# Altium PCB Carrier-Board-Apalis.PcbDoc (part 3 of 5) (continued)
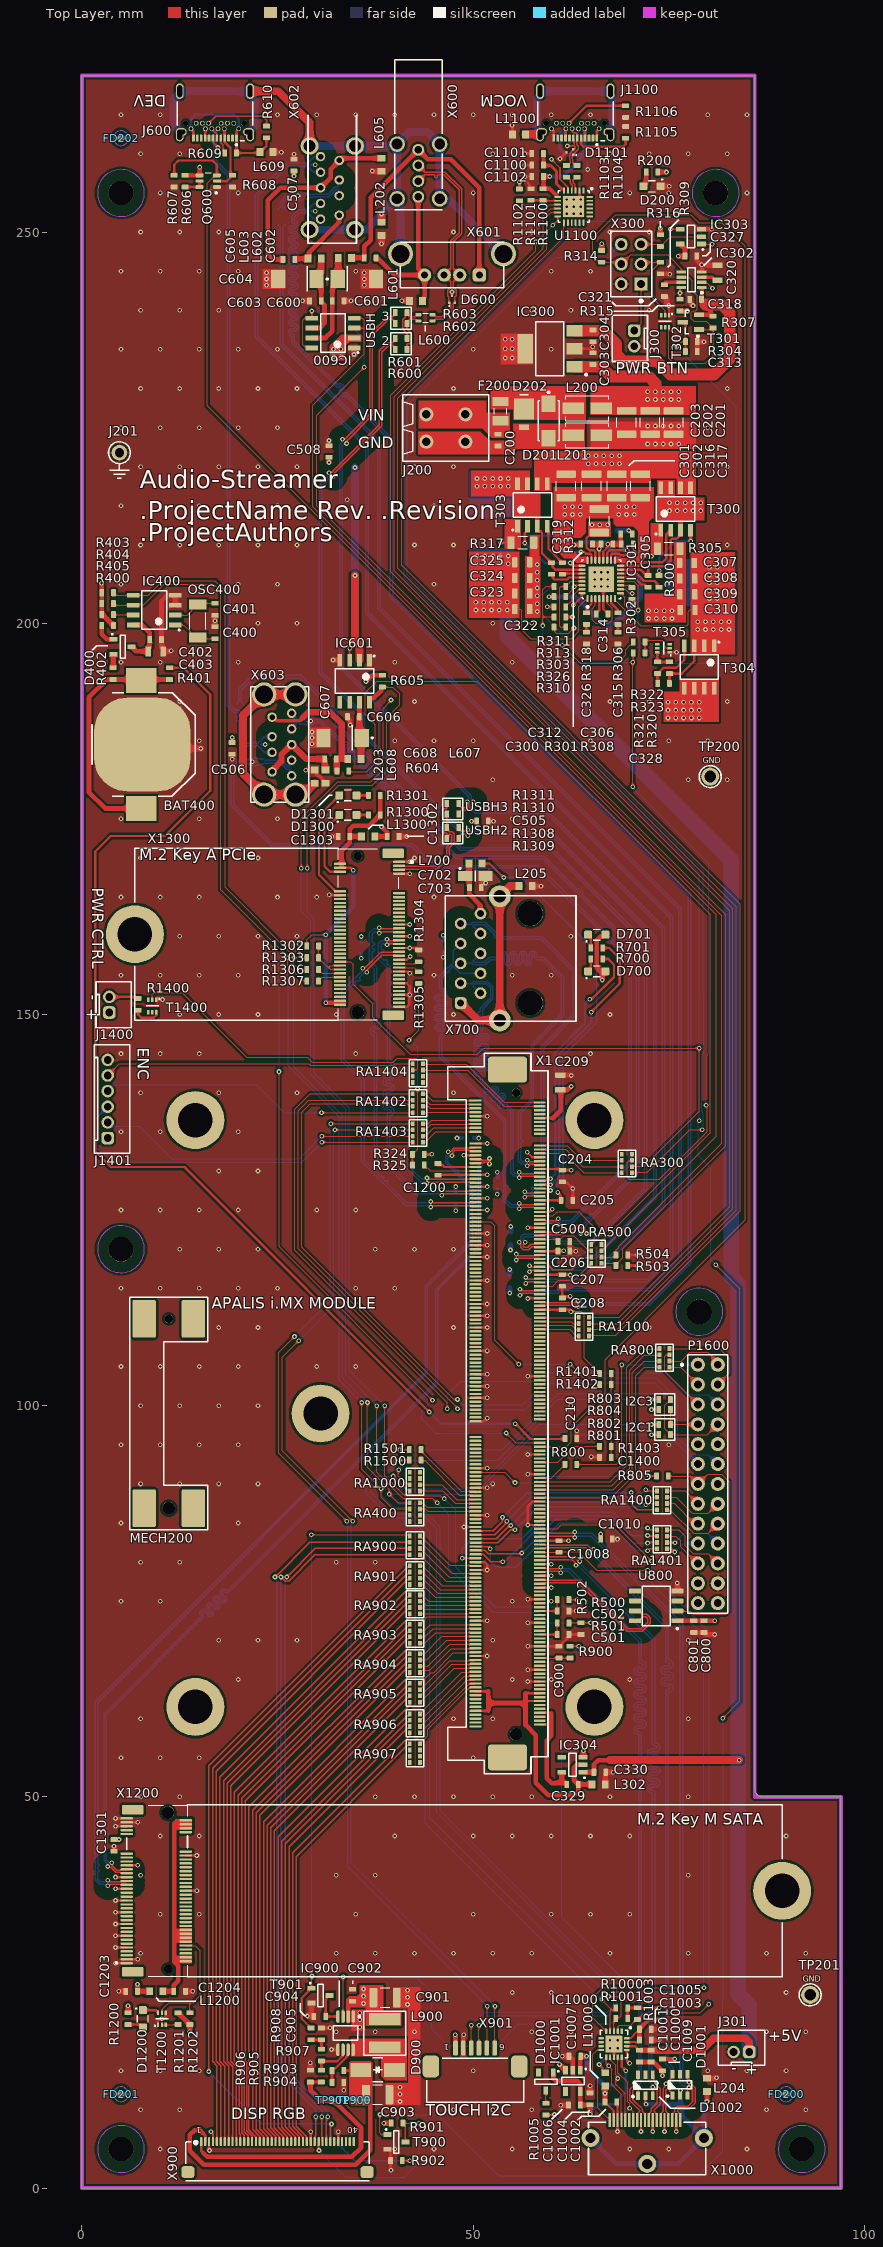
[diagram p0: Top Layer view]
## Nets (pads, with @x,y where several pads share a name; then routed paths per layer and width w, separated by ;. In a path a pad name is that pad's centre, name@x,y a point inside that pad or via, vN(x,y) a via of type N, cw(c..) or ccw(c..) an arc to the next point about the centre after c; other vN are vias at no path point) (continued)
HDMI1_TXD0_P: D1002.4 X1.234 X1000.7 | length 90.1
  Top Layer w0.198: X1.234@58.5,80.75 58.551,80.699 59.371,80.699 59.391,80.679 62.819,80.679 63.326,80.172 63.568,80.172 v1(63.645,80.095) ; D1002.4@72.96,14.5 73.07,14.39 73.07,13.811 v1(73.455,13.426) 73.532,13.349 73.532,13.107 73.905,12.734 73.905,10.762 73.139,9.996 73.139,9.808 73.309,9.638 73.309,9.601 73.46,9.45 X1000.7@73.46,8.7
  Bottom Layer w0.198: v1(63.645,80.095) 63.722,80.018 63.722,79.776 73.258,70.24 73.258,56.946 ccw(c73.302,56.946) 73.302,56.902 cw(c73.302,56.346) 73.858,56.346 cw(c73.302,56.346) 73.302,55.79 72.856,55.79 ccw(c72.856,55.592) 72.856,55.394 73.302,55.394 cw(c73.302,54.838) 73.858,54.838 cw(c73.302,54.838) 73.302,54.282 72.856,54.282 ccw(c72.856,54.084) 72.856,53.886 73.302,53.886 cw(c73.302,53.33) 73.858,53.33 cw(c73.302,53.33) 73.302,52.774 72.856,52.774 ccw(c72.856,52.576) 72.856,52.378 73.302,52.378 cw(c73.302,51.822) 73.858,51.822 cw(c73.302,51.822) 73.302,51.266 72.856,51.266 ccw(c72.856,51.068) 72.856,50.87 cw(c72.856,50.468) 73.258,50.468 73.258,24.708 72.8,24.25 72.8,13.839 73.136,13.503 73.378,13.503 v1(73.455,13.426)
HDMI1_TXD1_N: D1001.6 X1.230 X1000.6 | length 90.1
  Top Layer w0.198: X1.230@58.5,81.75 58.551,81.801 59.371,81.801 59.391,81.821 64.471,81.821 64.823,81.469 64.823,81.227 v1(64.9,81.15) ; X1000.6@73.96,8.7 73.96,9.45 74.111,9.601 74.111,9.638 74.281,9.808 74.281,12.737 74.499,12.955 74.499,13.088 74.651,13.24 v1(74.651,13.349) 75.328,14.027 75.328,14.399 D1001.6@75.479,14.55
  Bottom Layer w0.198: v1(64.9,81.15) 64.977,81.073 65.219,81.073 74.6,71.692 74.6,67.546 ccw(c75.002,67.546) 75.002,67.144 cw(c75.002,66.946) 75.2,66.946 cw(c75.002,66.946) 75.002,66.748 74.556,66.748 ccw(c74.556,66.192) 74.556,65.636 75.002,65.636 cw(c75.002,65.438) 75.2,65.438 cw(c75.002,65.438) 75.002,65.24 74.556,65.24 ccw(c74.556,64.684) 74.556,64.128 75.002,64.128 cw(c75.002,63.93) 75.2,63.93 cw(c75.002,63.93) 75.002,63.732 ccw(c75.002,63.33) 74.6,63.33 74.6,15.894 75.195,15.299 75.195,13.651 74.97,13.426 74.728,13.426 v1(74.651,13.349)
HDMI1_TXD1_P: D1001.1 X1.228 X1000.4 | length 90.3
  Top Layer w0.198: X1.228@58.5,82.25 58.551,82.199 59.371,82.199 59.391,82.179 64.619,82.179 65.076,81.722 65.318,81.722 v1(65.395,81.645) ; X1000.4@74.96,8.7 74.96,9.45 74.809,9.601 74.809,9.638 74.639,9.808 74.639,12.589 74.647,12.597 74.717,12.597 74.975,12.854 v1(75.146,12.854) 75.146,12.392 75.262,12.276 75.328,12.276 75.479,12.125 D1001.1@75.479,11.85
  Bottom Layer w0.198: v1(65.395,81.645) 65.472,81.568 65.472,81.326 74.958,71.84 74.958,67.546 ccw(c75.002,67.546) 75.002,67.502 cw(c75.002,66.946) 75.558,66.946 cw(c75.002,66.946) 75.002,66.39 74.556,66.39 ccw(c74.556,66.192) 74.556,65.994 75.002,65.994 cw(c75.002,65.438) 75.558,65.438 cw(c75.002,65.438) 75.002,64.882 74.556,64.882 ccw(c74.556,64.684) 74.556,64.486 75.002,64.486 cw(c75.002,63.93) 75.558,63.93 cw(c75.002,63.93) 75.002,63.374 ccw(c75.002,63.33) 74.958,63.33 74.958,16.042 75.553,15.447 75.553,13.503 75.223,13.173 75.223,12.931 v1(75.146,12.854)
HDMI1_TXD2_N: D1001.3 X1.224 X1000.3 | length 90.6
  Top Layer w0.198: X1.224@59.1,83.25 X1.224@58.5,83.25 58.551,83.301 59.1,83.301 59.371,83.301 59.391,83.321 61.347,83.321 62.72,83.321 62.891,83.15 v1(63,83.15) ; X1000.3@75.46,8.7 75.46,9.45 75.611,9.601 75.611,9.638 75.781,9.808 75.781,10.121 76.113,10.453 77.46,10.453 78.042,11.035 78.042,12.638 v1@77.715,12.965 ; D1001.3@77.379,11.85 v1@77.379,12.85
  Bottom Layer w0.198: v1(63,83.15) 63.109,83.15 63.28,83.321 65.079,83.321 76.442,71.958 76.442,13.434 76.855,13.021 77.32,13.021 77.491,12.85 v1(77.6,12.85)
HDMI1_TXD2_P: D1001.4 X1.222 X1000.1 | length 90.8
  Top Layer w0.198: X1.222@58.5,83.75 58.551,83.699 59.371,83.699 59.391,83.679 61.198,83.679 62.72,83.679 62.891,83.85 v1(63,83.85) ; X1000.1@76.46,8.7 76.46,9.45 76.309,9.601 76.309,9.638 76.139,9.808 76.139,9.973 76.261,10.095 77.608,10.095 78.4,10.887 78.4,12.787 77.637,13.55 v1(77.6,13.55) ; v1@77.379,13.55 D1001.4@77.379,14.55
  Bottom Layer w0.198: v1(63,83.85) 63.109,83.85 63.28,83.679 65.227,83.679 76.8,72.106 76.8,13.582 77.003,13.379 77.32,13.379 77.491,13.55 v1(77.6,13.55)
HDMI1_VDISP: C1002.2 C1007.2 IC1001.1 L1000.2 R1002.2 R1004.2 X1000.18 | length 14.7
  Top Layer w0.25: C1002.2@66.85,10.982 66.85,10.832 67.025,10.657 67.175,10.657 67.96,9.872 X1000.18@67.96,8.7
  Top Layer w0.6: IC1001.1@63.7,15.051 63.7,16.651 63.75,16.701 C1007.2@63.75,16.851 v1(64.5,16.851) ; C1002.2@66.85,10.982 v1(66.85,12.1) 66.85,13.03 L1000.2@66.88,13.06
  Bottom Layer w0.3: R1004.2@66.85,13.05 R1004.2@66.95,13.15 R1002.2@68.3,13.15
  Bottom Layer w0.6: v1(64.5,16.851) 64.5,15.4 66.85,13.05 v1(66.85,12.1)
HDMI1_VDISP_L: IC1000.15 L1000.1 | length 7.5
  Top Layer w0.25: v1(66.1,15.8) 66.537,15.363 66.537,15.05 66.717,14.87 L1000.1@66.75,14.87 ; IC1000.15@69.65,17.65 69.65,16.299 v1(69.999,15.95)
  Bottom Layer w0.25: v1(66.1,15.8) 66.8,16.5 69.449,16.5 v1(69.999,15.95)
I2C1_SCL: IC400.6 R404.1 R802.2 R1307.1 RA400.7 X901.3 | length 289.3
  Top Layer w0.15: R404.1@4.05,202.5 4.237,202.313 IC400.6@6.55,202.313 6.625,202.388 7.924,202.388 10.536,205 16.824,205 17.775,204.049 17.775,165.925 26.3,157.4 26.3,156.264 28.239,154.325 28.675,154.325 R1307.1@28.75,154.25 ; v1(35.75,100.4) 35.75,91.885 v1(38.235,89.4) 38.235,88.3 39.735,86.8 RA400.7@41.9,86.8 ; X901.3@49.75,17.9 v1(49.75,20.8) ; v1(72.8,97.6) R802.2@73.735,97.6
  Bottom Layer w0.15: v1(26.35,157.25) 26.35,143.45 32.9,136.9 32.9,103.25 v1(35.75,100.4) ; v1(49.75,20.8) 51.4,22.45 67.15,22.45 68,23.3 68,25.364 45.35,48.014 45.35,84.3 42.65,87 39.764,87 38.235,88.529 v1(38.235,89.4) 50.3,89.4 58.5,97.6 v1(72.8,97.6)
I2C1_SDA: IC400.5 R403.1 R801.2 R1306.1 RA400.8 X901.4 | length 284
  Top Layer w0.15: R403.1@4.05,203.9 4.05,203.808 4.275,203.583 IC400.5@6.55,203.583 8.483,203.583 10.35,205.45 17.01,205.45 18.3,204.16 18.3,166.25 27.1,157.45 27.1,156.4 27.75,155.75 R1306.1@28.75,155.75 ; v1(36.5,100.4) 36.5,92.1 39.3,89.3 v1(39.3,88.7) 40.4,87.6 RA400.8@41.9,87.6 ; X901.4@50.75,17.9 v1(50.75,20.8) ; v1(72.8,96.3) R801.2@73.735,96.3
  Bottom Layer w0.15: v1(27.1,157.25) 27.1,143.336 33.3,137.136 33.3,103.6 v1(36.5,100.4) ; v1@39.1,88.7 v1(39.3,88.7) ; v1(50.75,20.8) 51.95,22 67.336,22 68.379,23.043 68.379,25.621 45.8,48.2 45.8,84.486 42.836,87.45 40.55,87.45 v1(39.3,88.7) ; v1(72.8,96.3) 72.775,96.275 57.749,96.275 50.174,88.7 v1(39.3,88.7)
I2C2_DDC_SCL: IC1000.11 R1002.1 X1000.15 | length 10
  Top Layer w0.15: IC1000.11@67.5,16.75 67.567,16.683 67.567,16.343 68.2,15.709 68.2,14.475 68.389,14.286 68.389,14.026 68.362,14 68.25,14 68.25,13.3 69.46,12.09 X1000.15@69.46,8.7
  Bottom Layer w0.15: R1002.1@68.3,14.65 68.45,14.65 68.675,14.425 68.475,14.225 v1(68.475,14)
I2C2_DDC_SDA: IC1000.10 R1004.1 X1000.16 | length 10
  Top Layer w0.15: IC1000.10@67,16.75 67,15.95 v1(67.325,15.625) 67.75,15.2 67.75,13.19 68.96,11.98 X1000.16@68.96,8.7
  Bottom Layer w0.15: R1004.1@66.95,14.65 66.95,15.25 v1(67.325,15.625)
I2C2_SCL: IC1000.3 R1001.1 RA1000.5 | length 92.4
  Top Layer w0.15: v1(39.8,91) 41.625,89.175 41.825,89.175 RA1000.5@41.9,89.1 ; v1(67.3,24.5) 68.35,24.5 68.95,23.9 68.95,22.05 68.687,21.787 68.341,21.787 R1001.1@68.249,21.695 68.249,21.545 68,21.295 IC1000.3@68,20.05
  Bottom Layer w0.15: v1(39.8,91) 37.6,91 36.9,90.3 36.9,89 39.7,86.2 42.2,86.2 44.45,83.95 44.45,47.35 v1@67.178,24.622 ; v1(67.3,24.5) 67.378,24.5 v1@67.5,24.622
I2C2_SDA: IC1000.4 R1000.1 RA1000.6 | length 93.5
  Top Layer w0.15: v1(40.5,91.8) 40.45,91.8 40.45,90.95 41.425,89.975 41.825,89.975 RA1000.6@41.9,89.9 ; v1(66.435,24.1) 66.435,24.07 67.724,22.781 ; IC1000.4@67.5,20.05 67.5,22.556 67.724,22.781 ; R1000.1@68.336,22.729 68.336,22.958 R1000.1@68.249,23.045 68.249,23.006 68.024,22.781 67.724,22.781
  Bottom Layer w0.15: v1(40.5,91.8) 37.622,91.8 36.35,90.528 36.35,88.772 39.472,85.65 41.972,85.65 43.9,83.722 43.9,46.635 v1(66.435,24.1)
INT#: IC302.5 R314.2 X1.178 X300.4 | length 204.4
  Top Layer w0.15: X1.178@58.5,94.75 61.935,94.75 62.549,95.364 62.549,97.261 66.875,101.587 66.875,105.875 84.7,123.7 84.7,248.26 81.76,251.2 78.825,251.2 77.825,252.2 68.212,252.2 65.309,249.297 65.309,246.9 65.885,246.324 66.261,246.324 R314.2@66.435,246.15 68.685,246.15 X300.4@68.935,245.9 70.135,247.1 74.847,247.1 76.625,245.322 IC302.5@76.625,244.875
KILL#: IC302.8 IC303.4 R315.2 | length 11.6
  Top Layer w0.15: v1(75.2,250.366) 75.206,250.36 IC303.4@76.485,250.36 ; R315.2@76.435,241.4 v1(76.435,242.2) 76.435,242.8 76.56,242.925 IC302.8@76.625,242.925
  Bottom Layer w0.15: v1(75.2,250.366) 75.2,245.9 76.435,244.665 v1(76.435,242.2)
LCD1_B0: RA905.7 X900.21 | length 65.6
  Top Layer w0.165: X900.21@25.25,5.95 25.25,6.582 24.145,7.687 24.145,46.033 41.604,63.492 41.732,63.492 41.9,63.659 RA905.7@41.9,63.709
LCD1_B1: RA905.6 X900.22 | length 64.7
  Top Layer w0.165: X900.22@25.75,5.95 25.75,6.582 24.61,7.722 24.61,45.698 41.604,62.692 41.732,62.692 41.9,62.859 RA905.6@41.9,62.909
LCD1_B2: RA905.5 X900.23 | length 63.6
  Top Layer w0.165: X900.23@26.25,5.95 26.25,6.582 25.075,7.757 25.075,44.902 41.9,61.727 RA905.5@41.9,62.109
LCD1_B3: RA906.8 X900.24 | length 62
  Top Layer w0.165: X900.24@26.75,5.95 26.75,6.582 25.54,7.792 25.54,44.319 41.604,60.382 41.732,60.382 41.9,60.55 RA906.8@41.9,60.6
LCD1_B4: RA906.7 X900.25 | length 61
  Top Layer w0.165: X900.25@27.25,5.95 27.25,6.582 26.005,7.827 26.005,43.984 41.604,59.582 41.732,59.582 41.9,59.75 RA906.7@41.9,59.8
LCD1_B5: RA906.6 X900.26 | length 60
  Top Layer w0.165: X900.26@27.75,5.95 27.75,6.582 26.47,7.862 26.47,43.649 41.604,58.782 41.732,58.782 41.9,58.95 RA906.6@41.9,59
LCD1_B6: RA906.5 X900.27 | length 59
  Top Layer w0.165: X900.27@28.25,5.95 28.25,6.582 26.935,7.898 26.935,42.853 41.9,57.817 RA906.5@41.9,58.2
LCD1_B7: RA907.8 X900.28 | length 57.5
  Top Layer w0.165: X900.28@28.75,5.95 28.75,6.582 27.4,7.933 27.4,42.379 41.604,56.582 41.732,56.582 41.9,56.75 RA907.8@41.9,56.8
LCD1_DE: R902.2 RA901.8 X900.34 | length 110.1
  Top Layer w0.165: v1(16.2,14.9) 16.24,14.94 16.24,53.969 41.604,79.332 41.732,79.332 41.9,79.5 RA901.8@41.9,79.55 ; X900.34@31.75,5.95 31.75,7.932 31.9,8.082 v1(31.9,8.2) ; R902.2@40.95,3.5 v1(41.9,3.5)
  Bottom Layer w0.165: v1(16.2,14.9) 22.9,8.2 v1(31.9,8.2) 31.9,6.5 34.9,3.5 v1(41.9,3.5)
LCD1_G0: RA903.7 X900.13 | length 74.6
  Top Layer w0.165: X900.13@21.25,5.95 21.25,6.692 20.725,7.217 20.725,15.9 20.425,16.2 20.425,49.854 41.604,71.032 41.732,71.032 41.9,71.2 RA903.7@41.9,71.25
LCD1_G1: RA903.6 X900.14 | length 73.6
  Top Layer w0.165: X900.14@21.75,5.95 21.75,6.637 21.04,7.347 21.04,16.05 20.89,16.2 20.89,49.519 41.604,70.233 41.732,70.233 41.9,70.4 RA903.6@41.9,70.45
LCD1_G2: RA903.5 X900.15 | length 72.6
  Top Layer w0.165: X900.15@22.25,5.95 22.25,6.582 21.355,7.477 21.355,48.723 41.9,69.268 RA903.5@41.9,69.65
LCD1_G3: RA904.8 X900.16 | length 71.1
  Top Layer w0.165: X900.16@22.75,5.95 22.75,6.582 21.82,7.512 21.82,48.299 41.604,68.082 41.732,68.082 41.9,68.25 RA904.8@41.9,68.3
LCD1_G4: RA904.7 X900.17 | length 70.1
  Top Layer w0.165: X900.17@23.25,5.95 23.25,6.582 22.285,7.547 22.285,47.964 41.604,67.282 41.732,67.282 41.9,67.45 RA904.7@41.9,67.5
LCD1_G5: RA904.6 X900.18 | length 69.2
  Top Layer w0.165: X900.18@23.75,5.95 23.75,6.582 22.75,7.582 22.75,47.629 41.604,66.482 41.732,66.482 41.9,66.65 RA904.6@41.9,66.7
LCD1_G6: RA904.5 X900.19 | length 68.1
  Top Layer w0.165: X900.19@24.25,5.95 24.25,6.582 23.215,7.617 23.215,46.833 41.9,65.517 RA904.5@41.9,65.9
LCD1_G7: RA905.8 X900.20 | length 66.6
  Top Layer w0.165: X900.20@24.75,5.95 24.75,6.582 23.68,7.652 23.68,46.368 41.604,64.292 41.732,64.292 41.9,64.459 RA905.8@41.9,64.509
LCD1_HSYNC: RA900.5 X900.32 | length 92.4
  Top Layer w0.165: v1(25.435,78.1) 25.435,78.097 25.964,77.568 26.406,77.568 29.788,80.95 RA900.5@41.9,80.95 ; v1(30.658,9.1) 30.658,6.675 30.75,6.582 X900.32@30.75,5.95
  Bottom Layer w0.165: v1(25.435,78.1) 25.435,15.123 30.658,9.9 v1(30.658,9.1)
LCD1_PCLK: RA900.7 X900.30 | length 93.4
  Top Layer w0.165: v1(24.685,78.1) 24.685,78.103 29.132,82.55 RA900.7@41.9,82.55 ; X900.30@29.75,5.95 29.75,6.582 29.908,6.74 v1(29.908,9.1)
  Bottom Layer w0.165: v1(24.685,78.1) 24.903,77.883 24.903,69.767 24.903,14.997 29.908,9.992 v1(29.908,9.1)
LCD1_R0: RA901.7 X900.5 | length 83.5
  Top Layer w0.165: X900.5@17.25,5.95 17.25,15.655 16.705,16.2 16.705,53.634 41.604,78.532 41.732,78.532 41.9,78.7 RA901.7@41.9,78.75
LCD1_R1: RA901.6 X900.6 | length 82.6
  Top Layer w0.165: X900.6@17.75,5.95 17.75,15.62 17.17,16.2 17.17,53.299 41.604,77.732 41.732,77.732 41.9,77.9 RA901.6@41.9,77.95
LCD1_R2: RA901.5 X900.7 | length 81.5
  Top Layer w0.165: X900.7@18.25,5.95 18.25,15.585 17.635,16.2 17.635,52.503 41.9,76.767 RA901.5@41.9,77.15
LCD1_R3: RA902.8 X900.8 | length 80.1
  Top Layer w0.165: X900.8@18.75,5.95 18.75,15.55 18.1,16.2 18.1,52.079 41.604,75.582 41.732,75.582 41.9,75.75 RA902.8@41.9,75.8
LCD1_R4: RA902.7 X900.9 | length 79.1
  Top Layer w0.165: X900.9@19.25,5.95 19.25,15.515 18.565,16.2 18.565,51.744 41.604,74.782 41.732,74.782 41.9,74.95 RA902.7@41.9,75
LCD1_R5: RA902.6 X900.10 | length 78.1
  Top Layer w0.165: X900.10@19.75,5.95 19.75,15.48 19.03,16.2 19.03,51.409 41.604,73.982 41.732,73.982 41.9,74.15 RA902.6@41.9,74.2
LCD1_R6: RA902.5 X900.11 | length 77
  Top Layer w0.165: X900.11@20.25,5.95 20.25,6.801 20.095,6.956 20.095,15.6 19.495,16.2 19.495,50.613 41.9,73.017 RA902.5@41.9,73.4
LCD1_R7: RA903.8 X900.12 | length 75.6
  Top Layer w0.165: X900.12@20.75,5.95 20.75,6.746 20.41,7.086 20.41,15.75 19.96,16.2 19.96,50.189 41.604,71.832 41.732,71.832 41.9,72 RA903.8@41.9,72.05
LCD1_VSYNC: RA900.6 X900.33 | length 91.8
  Top Layer w0.165: v1(26.185,78.1) 29.835,81.75 RA900.6@41.9,81.75 ; X900.33@31.25,5.95 31.25,8.943 v1(31.408,9.1)
  Bottom Layer w0.165: v1(26.185,78.1) 25.967,77.883 25.967,69.767 25.968,15.248 31.408,9.808 v1(31.408,9.1)
LCD_DISP_B: R901.1 T900.3 X900.31 | length 25.7
  Top Layer w0.15: X900.31@30.25,5.95 30.25,4.85 v1(30.3,4.8) ; R901.1@41.05,8.3 v1(43.1,8.3)
  Top Layer w0.165: R901.1@41.05,8.3 41.05,8.15 41.35,7.85 T900.3@41.35,5.9
  Bottom Layer w0.15: v1(30.3,4.8) 33.7,1.4 41.2,1.4 43.1,3.3 v1(43.1,8.3)
MCLK_N: U800.8 X1.246 | length 20.1
  Top Layer w0.165: X1.246@58.5,77.75 58.568,77.682 59.249,77.682 59.257,77.675 63.599,77.675 68.287,72.987 68.385,72.889 ccw(c68.533,73.037) 68.681,72.889 68.88,73.088 cw(c69.028,72.939) 69.176,73.088 cw(c69.028,72.939) 69.176,72.791 68.977,72.593 ccw(c69.126,72.444) 68.977,72.296 69.126,72.148 69.274,72 69.774,71.5 71.5,71.5 72.3,72.3 72.3,72.75 72.05,73 71.675,73 71.175,72.5 U800.8@70.7,72.5
MCLK_P: U800.7 X1.248 | length 20.2
  Top Layer w0.165: X1.248@58.5,77.25 58.568,77.317 59.249,77.317 59.272,77.34 63.46,77.34 69.635,71.165 71.639,71.165 72.635,72.161 72.635,72.889 72.189,73.335 71.61,73.335 71.175,73.77 U800.7@70.7,73.77
MXM3_1_M: RA1402.4 X1.1 | length 7.1
  Top Layer w0.15: RA1402.4@43.58,139.85 43.905,139.85 44.755,139 X1.1@50.3,139
MXM3_2_M: RA1404.5 X1.2 | length 17
  Top Layer w0.15: RA1404.5@43.58,143.7 43.655,143.625 49.111,143.625 53.986,138.75 X1.2@58.5,138.75
MXM3_3_M: RA1402.3 X1.3 | length 6.9
  Top Layer w0.15: RA1402.3@43.58,139.05 43.905,139.05 44.455,138.5 X1.3@50.3,138.5
MXM3_4_M: RA1404.6 X1.4 | length 16.8
  Top Layer w0.15: RA1404.6@43.58,142.9 49.336,142.9 53.986,138.25 X1.4@58.5,138.25
MXM3_5_M: RA1402.2 X1.5 | length 6.8
  Top Layer w0.15: RA1402.2@43.58,138.25 44.281,138.25 44.531,138 X1.5@50.3,138
MXM3_6_M: X1.6
MXM3_7_M: RA1402.1 X1.7 | length 6.7
  Top Layer w0.15: RA1402.1@43.58,137.45 43.905,137.45 43.955,137.5 X1.7@50.3,137.5
MXM3_8_M: X1.8
MXM3_11_M: RA1403.4 X1.11 | length 6.9
  Top Layer w0.15: RA1403.4@43.58,136.05 44.281,136.05 44.731,136.5 X1.11@50.3,136.5
MXM3_13_M: RA1403.3 X1.13 | length 7
  Top Layer w0.15: RA1403.3@43.58,135.25 43.905,135.25 44.655,136 X1.13@50.3,136
MXM3_15_M: RA1403.2 X1.15 | length 7.2
  Top Layer w0.15: RA1403.2@43.58,134.45 43.905,134.45 44.955,135.5 X1.15@50.3,135.5
MXM3_17_M: RA1403.1 X1.17 | length 7.3
  Top Layer w0.15: RA1403.1@43.58,133.65 43.905,133.65 45.255,135 X1.17@50.3,135
MXM3_24_M: RA300.2 X1.24 | length 11.3
  Top Layer w0.15: X1.24@58.5,133.25 62.05,133.25 63.949,131.351 RA300.2@69,131.351
MXM3_26_M: RA300.3 X1.26 | length 11.4
  Top Layer w0.15: X1.26@58.5,132.75 61.843,132.75 64.041,130.551 RA300.3@69,130.551
MXM3_28_M: RA300.4 X1.28 | length 11.5
  Top Layer w0.15: X1.28@58.5,132.25 61.636,132.25 64.134,129.751 RA300.4@69,129.751
MXM3_35_M: C1200.2 X1.35 | length 4.9
  Top Layer w0.3: C1200.2@45.5,130.75 46.1,130.75 46.35,130.5 X1.35@50.3,130.5
MXM3_37_M: R325.1 X1.37 | length 6.9
  Top Layer w0.15: R325.1@43.75,130.75 43.75,130.613 43.975,130.388 44.112,130.388 44.5,130 X1.37@50.3,130
MXM3_60_M: RA500.1 X1.60 | length 10.5
  Top Layer w0.15: X1.60@58.5,124.25 60.2,124.25 60.75,124.8 63.5,124.8 65.568,122.732 65.568,121.068 65.325,120.825 65.275,120.825 65.1,120.65 RA500.1@65.1,120.6
MXM3_72_M: C500.2 RA500.2 X1.72 | length 7.7
  Top Layer w0.15: X1.72@58.5,121.25 60.737,121.25 60.85,121.137 61.075,121.362 61.212,121.362 61.55,121.7 62.868,121.7 64.713,119.855 65.045,119.855 RA500.2@65.1,119.8
MXM3_84_M: RA500.3 X1.84 | length 7.6
  Top Layer w0.15: 63.488,118.25 64.238,119 RA500.3@65.1,119
  Top Layer w0.165: X1.84@58.5,118.25 58.535,118.215 59.385,118.215 60.2,117.4 62.638,117.4 63.488,118.25
MXM3_96_M: RA500.4 X1.96 | length 7.9
  Top Layer w0.15: X1.96@58.5,115.25 60.15,115.25 60.9,116 62.9,116 64.875,117.975 64.925,117.975 65.1,118.15 RA500.4@65.1,118.2
MXM3_110_M: X1.110
MXM3_112_M: RA1100.1 X1.112 | length 5
  Top Layer w0.15: X1.112@58.5,111.25 63.125,111.25 63.175,111.3 RA1100.1@63.5,111.3
MXM3_114_M: RA1100.2 X1.114 | length 5.1
  Top Layer w0.15: X1.114@58.5,110.75 62.549,110.75 62.799,110.5 RA1100.2@63.5,110.5
MXM3_116_M: RA1100.3 X1.116 | length 5.2
  Top Layer w0.15: X1.116@58.5,110.25 62.625,110.25 63.175,109.7 RA1100.3@63.5,109.7
MXM3_118_M: RA1100.4 X1.118 | length 5.4
  Top Layer w0.15: X1.118@58.5,109.75 62.325,109.75 63.175,108.9 RA1100.4@63.5,108.9
MXM3_120_M: X1.120
MXM3_122_M: X1.122
MXM3_124_M: X1.124
MXM3_126_M: X1.126
MXM3_128_M: X1.128
MXM3_130_M: X1.130
MXM3_132_M: X1.132
MXM3_134_M: X1.134
MXM3_136_M: X1.136
MXM3_138_M: X1.138
MXM3_140_M: X1.140
MXM3_191_M: R805.2 X1.191 | length 24
  Top Layer w0.15: X1.191@50.3,91.5 50.325,91.475 54.046,91.475 v1(55.351,90.17) ; v1(72.5,91) R805.2@73.45,91
  Bottom Layer w0.15: v1(55.351,90.17) 57.791,90.17 58.621,91 v1(72.5,91)
MXM3_201_M: R1501.1 X1.201 | length 9.3
  Top Layer w0.15: R1501.1@43.35,94.37 43.425,94.295 43.425,94.114 48.464,89.075 50.225,89.075 X1.201@50.3,89
MXM3_203_M: R1500.1 X1.203 | length 8.8
  Top Layer w0.15: R1500.1@43.35,93.04 43.425,92.965 43.867,92.965 48.257,88.575 50.225,88.575 X1.203@50.3,88.5
MXM3_205_M: RA1000.2 X1.205 | length 7.9
  Top Layer w0.15: RA1000.2@43.2,89.9 46.015,89.9 47.915,88 X1.205@50.3,88
MXM3_207_M: RA1000.1 X1.207 | length 7.8
  Top Layer w0.15: RA1000.1@43.2,89.1 46.143,89.1 47.743,87.5 X1.207@50.3,87.5
MXM3_209_M: RA400.4 X1.209 | length 7.3
  Top Layer w0.15: RA400.4@43.2,87.6 43.525,87.6 44.125,87 X1.209@50.3,87
MXM3_211_M: RA400.3 X1.211 | length 7.2
  Top Layer w0.15: RA400.3@43.2,86.8 43.901,86.8 44.201,86.5 X1.211@50.3,86.5
MXM3_221_M: RA1400.4 X1.221 | length 27.3
  Top Layer w0.165: X1.221@50.3,84 52.55,84 53.743,85.193 53.743,85.723 v1(53.76,85.74) ; v1(70.218,88.9) 70.218,87.482 71,86.7 RA1400.4@73.5,86.7
  Bottom Layer w0.165: v1(53.76,85.74) 56.92,88.9 v1(70.218,88.9)
MXM3_223_M: RA1400.1 X1.223 | length 25.7
  Top Layer w0.15: v1(72.05,89.25) 72.2,89.1 RA1400.1@73.5,89.1
  Top Layer w0.165: X1.223@50.3,83.5 52.757,83.5 54.29,85.033 v1(54.29,85.21)
  Bottom Layer w0.15: 71.1,88.3 v1(72.05,89.25)
  Bottom Layer w0.165: v1(54.29,85.21) 57.38,88.3 71.1,88.3
MXM3_225_M: RA1400.2 X1.225 | length 25.4
  Top Layer w0.15: v1(72.05,88.3) RA1400.2@73.5,88.3
  Top Layer w0.165: X1.225@50.3,83 52.964,83 54.644,84.68 v1(54.82,84.68)
  Bottom Layer w0.15: 71.4,87.65 v1(72.05,88.3)
  Bottom Layer w0.165: v1(54.82,84.68) 57.791,87.65 71.4,87.65
MXM3_227_M: RA1400.3 X1.227 | length 25.3
  Top Layer w0.15: v1(72.05,87.35) 72.2,87.5 RA1400.3@73.5,87.5
  Top Layer w0.165: X1.227@50.3,82.5 53.171,82.5 54.803,84.132 55.334,84.132 v1(55.351,84.149)
  Bottom Layer w0.15: 71.8,87.1 v1(72.05,87.35)
  Bottom Layer w0.165: v1(55.351,84.149) 58.302,87.1 71.8,87.1
MXM3_229_M: RA1401.4 X1.229 | length 29.2
  Top Layer w0.165: X1.229@50.3,82 51.886,82 52.186,81.7 v1(52.2,81.7) ; v1(72.3,81.474) 72.548,81.721 RA1401.4@73.5,81.721
  Bottom Layer w0.165: v1(52.2,81.7) 52.2,80.058 52.929,79.329 55.429,79.329 61.1,85 67.307,85 70.833,81.474 v1(72.3,81.474)
MXM3_231_M: RA1401.3 X1.231 | length 26.7
  Top Layer w0.165: X1.231@50.3,81.5 51.479,81.5 51.929,81.05 56.162,81.05 56.047,81.165 v1(56.2,81.165) ; v1(72.3,82.439) 72.383,82.521 RA1401.3@73.5,82.521
  Bottom Layer w0.165: v1(56.2,81.165) 60.5,85.465 67.499,85.465 70.526,82.439 v1(72.3,82.439)
MXM3_233_M: RA1401.2 X1.233 | length 27.1
  Top Layer w0.165: X1.233@50.3,81 51.3,81 52.242,80.058 v1(53.8,80.058) ; v1(72.3,83.404) 72.383,83.321 RA1401.2@73.5,83.321
  Bottom Layer w0.165: v1(53.8,80.058) 54.018,80.058 59.89,85.93 67.692,85.93 70.218,83.404 v1(72.3,83.404)
MXM3_235_M: RA1401.1 X1.235 | length 30.7
  Top Layer w0.165: v1(48.6,80.5) X1.235@50.3,80.5 ; v1(72.3,84.369) 72.548,84.121 RA1401.1@73.5,84.121
  Bottom Layer w0.165: v1(48.6,80.5) 48.6,81.7 49.9,83 56.2,83 59.595,86.395 67.885,86.395 69.911,84.369 v1(72.3,84.369)
MXM3_239_M: RA900.4 X1.239 | length 8.7
  Top Layer w0.15: RA900.4@43.2,83.35 43.475,83.075 43.543,83.075 47.043,79.575 50.225,79.575 X1.239@50.3,79.5
MXM3_243_M: RA900.3 X1.243 | length 8.8
  Top Layer w0.15: RA900.3@43.2,82.55 43.475,82.275 43.543,82.275 47.243,78.575 50.225,78.575 X1.243@50.3,78.5
MXM3_245_M: RA900.2 X1.245 | length 8.7
  Top Layer w0.15: RA900.2@43.2,81.75 43.475,81.475 43.543,81.475 46.943,78.075 50.225,78.075 X1.245@50.3,78
MXM3_247_M: RA900.1 X1.247 | length 8.5
  Top Layer w0.15: RA900.1@43.2,80.95 46.575,77.575 50.225,77.575 X1.247@50.3,77.5
MXM3_249_M: RA901.4 X1.249 | length 8.2
  Top Layer w0.15: RA901.4@43.2,79.55 43.525,79.55 46.075,77 X1.249@50.3,77
MXM3_251_M: RA901.3 X1.251 | length 8
  Top Layer w0.15: RA901.3@43.2,78.75 43.525,78.75 45.775,76.5 X1.251@50.3,76.5
MXM3_253_M: RA901.2 X1.253 | length 7.9
  Top Layer w0.15: RA901.2@43.2,77.95 43.525,77.95 45.475,76 X1.253@50.3,76
MXM3_255_M: RA901.1 X1.255 | length 7.8
  Top Layer w0.15: RA901.1@43.2,77.15 43.525,77.15 45.175,75.5 X1.255@50.3,75.5
MXM3_257_M: RA902.4 X1.257 | length 7.4
  Top Layer w0.15: RA902.4@43.2,75.8 43.525,75.8 44.325,75 X1.257@50.3,75
MXM3_259_M: RA902.3 X1.259 | length 7.3
  Top Layer w0.15: RA902.3@43.2,75 43.525,75 44.025,74.5 X1.259@50.3,74.5
MXM3_261_M: RA902.2 X1.261 | length 7.2
  Top Layer w0.15: RA902.2@43.2,74.2 43.525,74.2 43.725,74 X1.261@50.3,74
MXM3_262_M: C502.2 R500.1 X1.262 | length 3.7
  Top Layer w0.15: C502.2@60.75,73.75 R500.1@60.75,75.2
  Top Layer w0.3: X1.262@58.5,73.75 C502.2@60.75,73.75
MXM3_263_M: RA902.1 X1.263 | length 7.1
  Top Layer w0.15: RA902.1@43.2,73.4 49.375,73.4 49.475,73.5 X1.263@50.3,73.5
MXM3_265_M: RA903.4 X1.265 | length 7.5
  Top Layer w0.15: RA903.4@43.2,72.05 44.15,73 X1.265@50.3,73
MXM3_269_M: RA903.3 X1.269 | length 7.4
  Top Layer w0.15: RA903.3@43.2,71.25 43.75,71.25 44.5,72 X1.269@50.3,72
MXM3_271_M: RA903.2 X1.271 | length 7.5
  Top Layer w0.15: RA903.2@43.2,70.45 43.85,70.45 44.9,71.5 X1.271@50.3,71.5
MXM3_273_M: RA903.1 X1.273 | length 7.7
  Top Layer w0.15: RA903.1@43.2,69.65 43.851,69.65 45.201,71 X1.273@50.3,71
MXM3_274_M: C501.2 R501.1 X1.274 | length 3.7
  Top Layer w0.15: C501.2@60.75,70.75 R501.1@60.75,72.2
  Top Layer w0.3: X1.274@58.5,70.75 C501.2@60.75,70.75
MXM3_275_M: RA904.4 X1.275 | length 8
  Top Layer w0.15: RA904.4@43.2,68.3 43.8,68.3 46,70.5 X1.275@50.3,70.5
MXM3_277_M: RA904.3 X1.277 | length 8.1
  Top Layer w0.15: RA904.3@43.2,67.5 44.1,67.5 46.6,70 X1.277@50.3,70
MXM3_279_M: RA904.2 X1.279 | length 8.3
  Top Layer w0.15: RA904.2@43.2,66.7 44.2,66.7 47,69.5 X1.279@50.3,69.5
MXM3_281_M: RA904.1 X1.281 | length 8.4
  Top Layer w0.15: RA904.1@43.2,65.9 43.475,66.175 44.475,66.175 47.225,68.925 50.225,68.925 X1.281@50.3,69
MXM3_283_M: RA905.4 X1.283 | length 8.8
  Top Layer w0.15: RA905.4@43.2,64.509 44.566,65.875 44.941,65.875 47.491,68.425 50.225,68.425 X1.283@50.3,68.5
MXM3_286_M: C900.2 R900.1 X1.286 | length 3.9
  Top Layer w0.15: X1.286@58.5,67.75 C900.2@61,67.75 R900.1@62.4,67.75
MXM3_287_M: RA905.3 X1.287 | length 8.7
  Top Layer w0.15: RA905.3@43.2,63.709 43.475,63.984 43.543,63.984 46.984,67.425 50.225,67.425 X1.287@50.3,67.5
MXM3_289_M: RA905.2 X1.289 | length 8.8
  Top Layer w0.15: RA905.2@43.2,62.909 43.475,63.184 43.543,63.184 47.284,66.925 50.225,66.925 X1.289@50.3,67